# Altium PCB PCB.PcbDoc (part 1 of 2)
Units mm, origin at the board's own origin, x right, y up, seen from the top; angles counter-clockwise.
Board outline 100.25 x 95.41 mm, 2 copper layers (Top Layer, Bottom Layer); 195 components, 140 nets, 719 pads, 378 vias.
Unrouted connection lines stored in the file: 2.
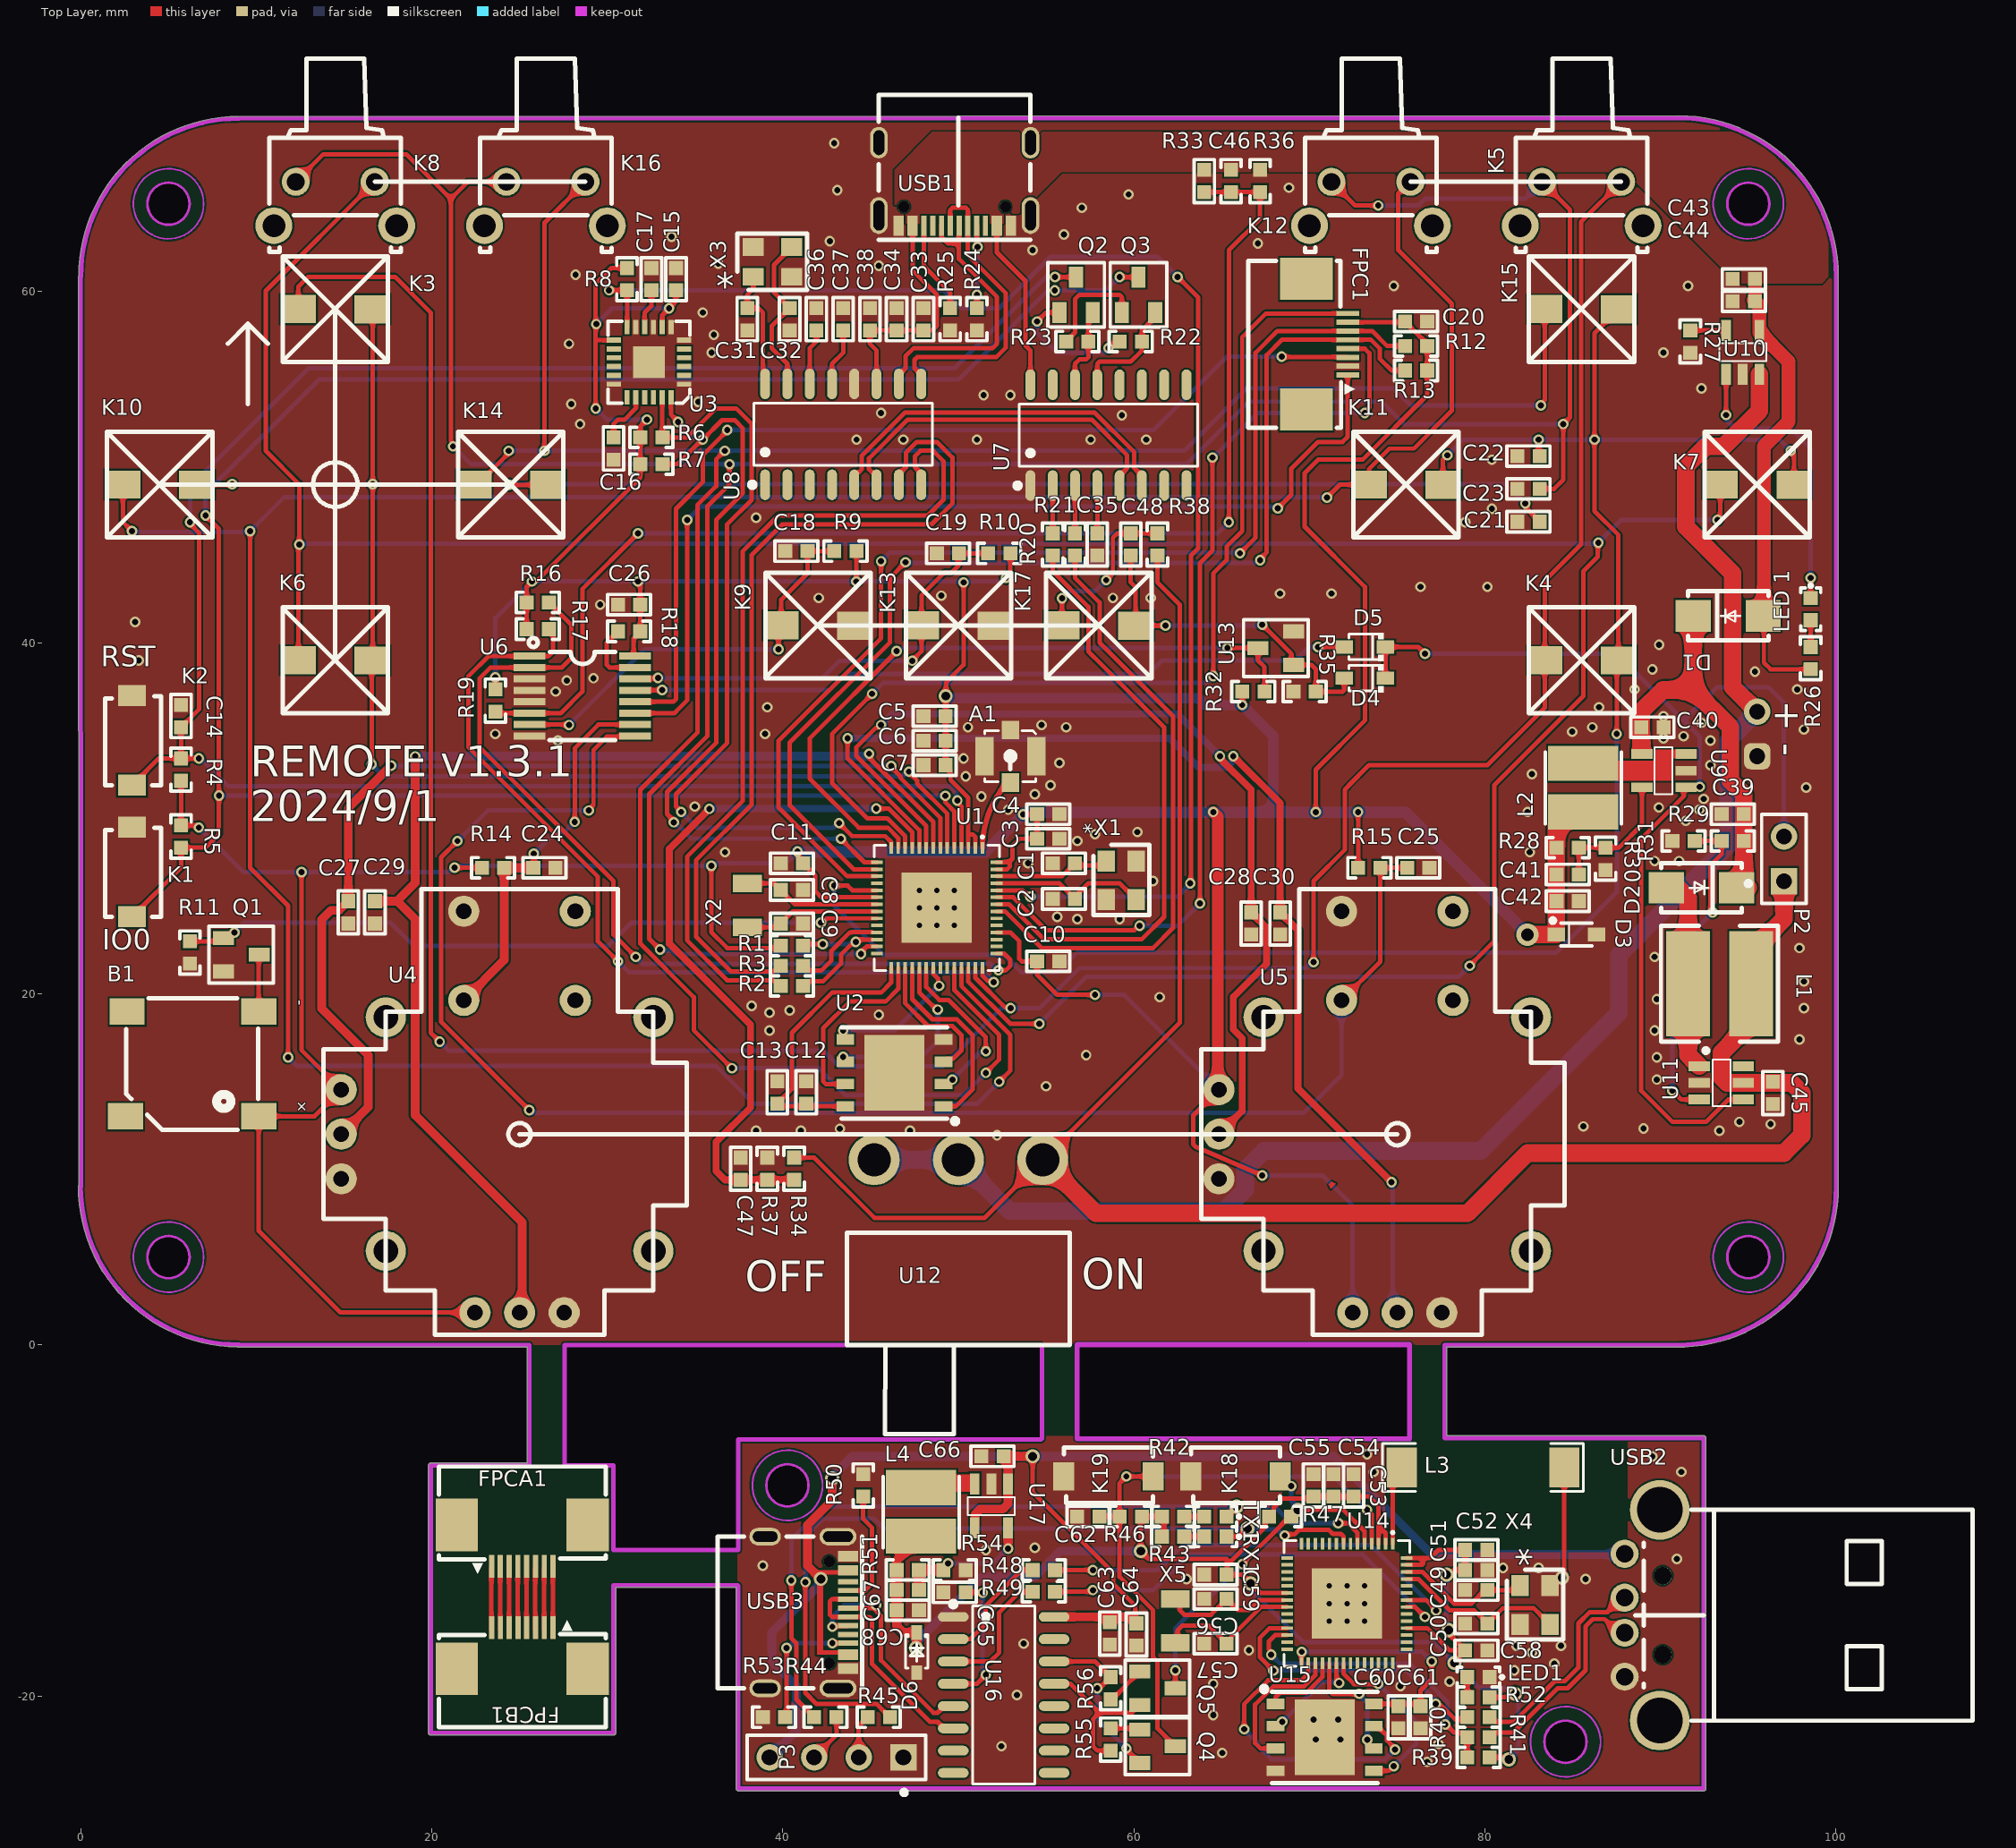
[diagram p0: Top Layer view]
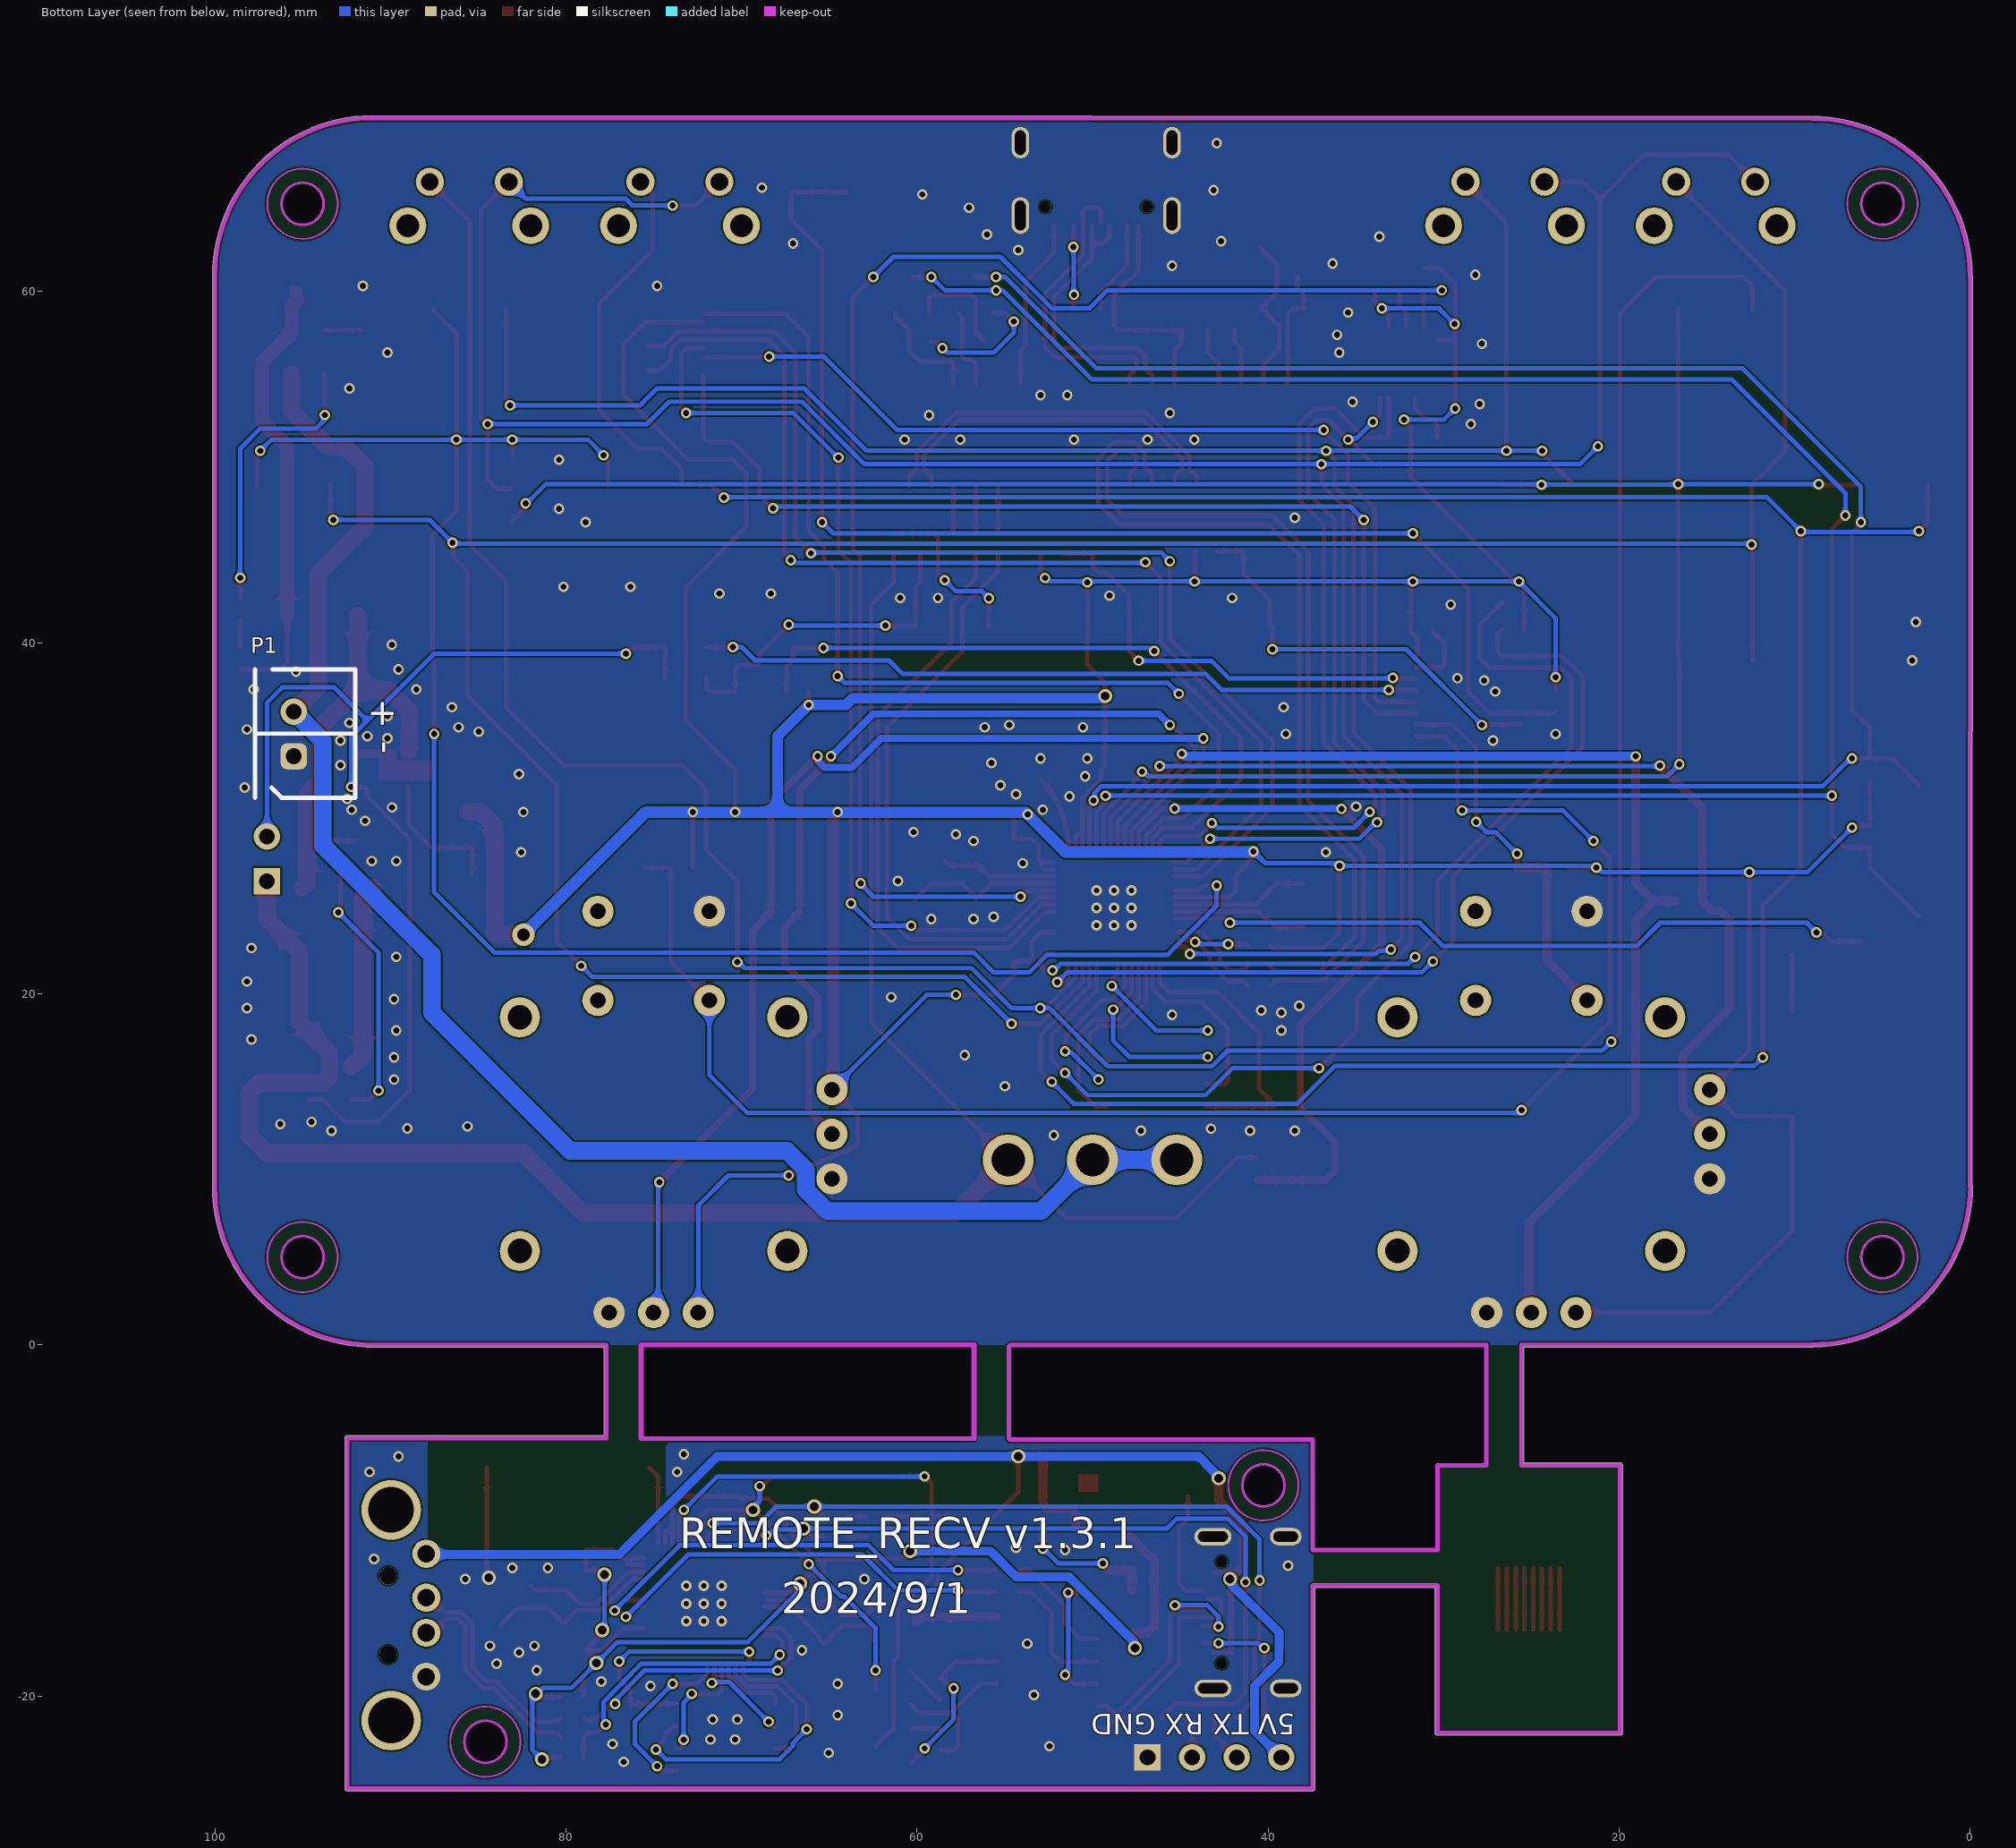
[diagram p1: Bottom Layer view, seen from below]
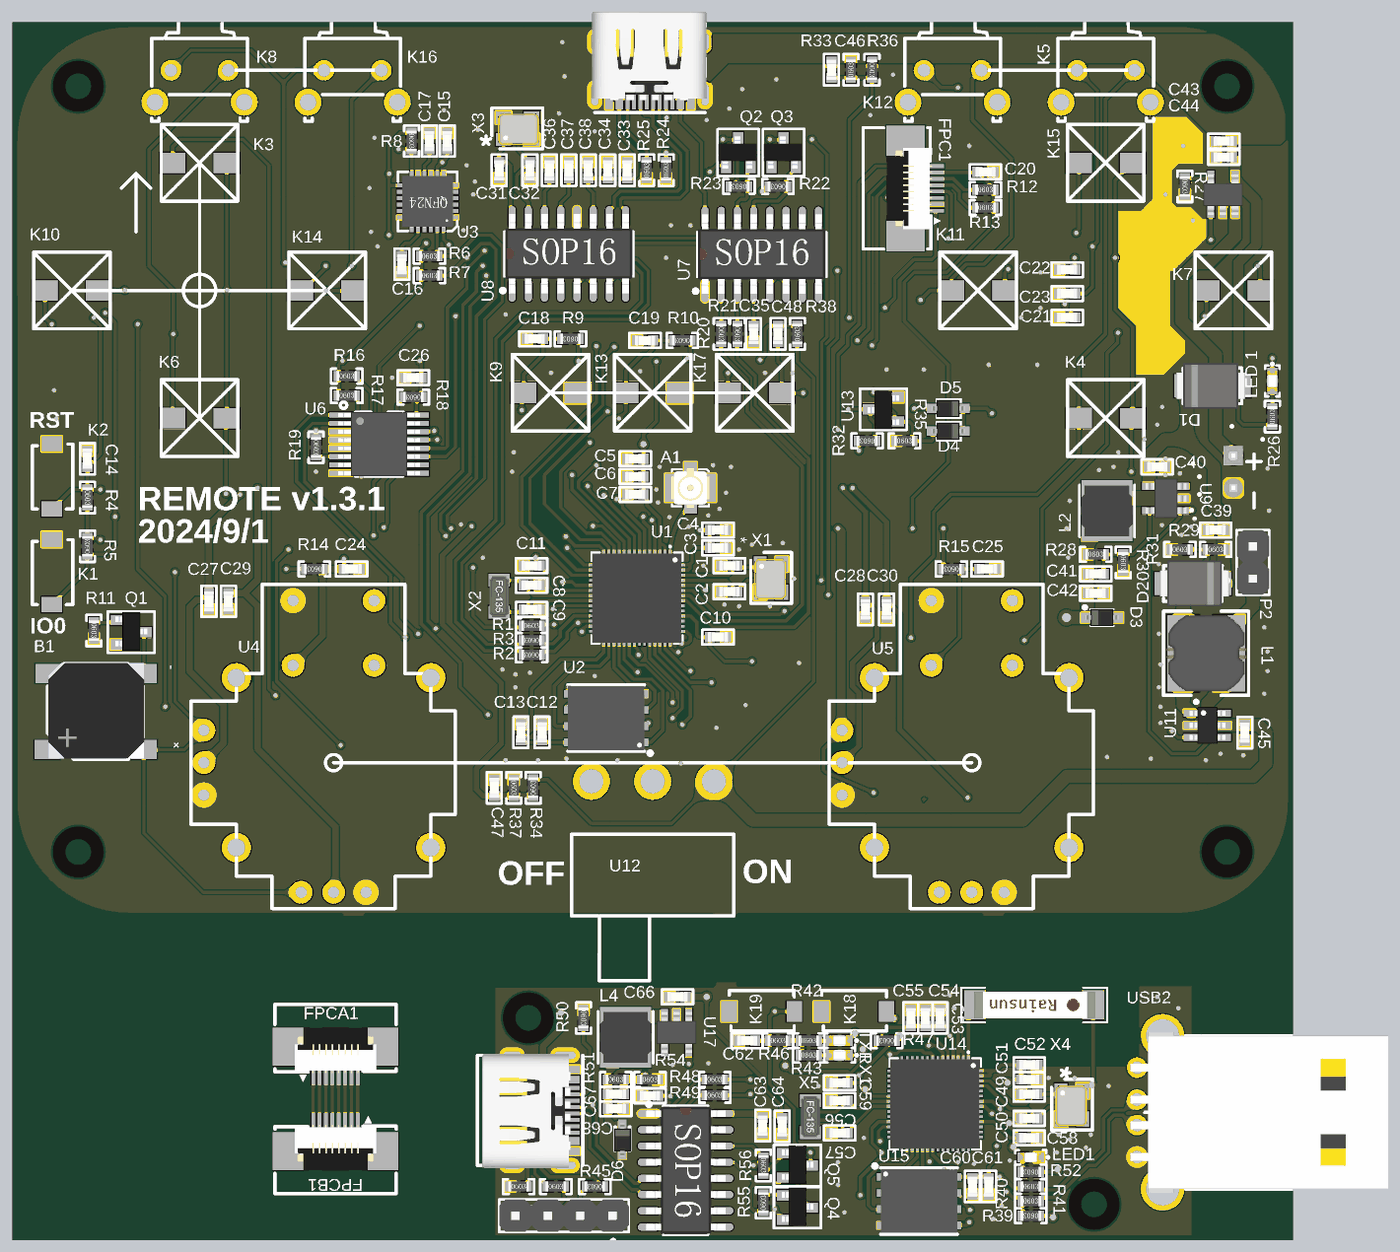
[diagram p3: 3D render of the assembled board from above, using the file's embedded part models]

## Layer stack, top to bottom
Top Solder: solder mask 0.0102, Solder Resist, Dk 3.5
Top Layer: signal copper 0.0356
Dielectric 1: dielectric 0.32, FR-4, Dk 4.8
Bottom Layer: signal copper 0.0356
Bottom Solder: solder mask 0.0102, Solder Resist, Dk 3.5

## Board outline
-0.127,9.017 ccw(c9,9.017) 8.936,-0.11 ccw(c9,0) 9,-0.127 25.432,-0.127 25.432,-6.731 19.939,-6.731 ccw(c19.939,-6.858) 19.812,-6.858 19.812,-22.098 ccw(c19.939,-22.098) 19.939,-22.225 30.353,-22.225 ccw(c30.353,-22.098) 30.48,-22.098 30.48,-13.811 37.338,-13.811 37.338,-25.273 ccw(c37.465,-25.273) 37.465,-25.4 92.456,-25.4 ccw(c92.456,-25.273) 92.583,-25.273 92.583,-5.302 ccw(c92.456,-5.302) 92.456,-5.175 77.819,-5.175 77.819,-0.127 91.313,-0.127 ccw(c91.313,0) 91.354,-0.121 ccw(c91,9) 100.127,9 100.127,60.895 ccw(c91.011,60.895) 91.011,70.011 ccw(c91.011,69.884) 91.011,70.011 9.017,69.977 ccw(c9.017,69.85) 9.017,69.977 ccw(c9.017,60.85) 9.008,69.977 9.017,69.977 9.008,69.977 9,69.977 ccw(c9,69.85) 8.998,69.977 cw(c9.017,60.85) 9.008,69.977 8.998,69.977 ccw(c9.017,60.85) -0.11,60.897 ccw(c0,60.833) -0.127,60.833 -0.107,9.086 ccw(c0,9.017)
cut-out: 83.382,-22.606 ccw(c84.582,-22.606) 84.582,-23.806 ccw(c84.582,-22.606) 85.782,-22.606 ccw(c84.582,-22.606) 84.582,-21.406 ccw(c84.582,-22.606)
cut-out: 39.059,-8.001 ccw(c40.259,-8.001) 40.259,-9.201 ccw(c40.259,-8.001) 41.459,-8.001 ccw(c40.259,-8.001) 40.259,-6.801 ccw(c40.259,-8.001)
cut-out: 56.642,-5.334 ccw(c56.769,-5.334) 56.769,-5.461 75.56,-5.461 ccw(c75.56,-5.334) 75.626,-5.443 ccw(c75.692,-5.334) 75.819,-5.334 75.819,0 ccw(c75.692,0) 75.692,0.127 56.769,0.127 ccw(c56.769,0) 56.642,0
cut-out: 93.8,5 ccw(c95,5) 95,3.8 ccw(c95,5) 96.2,5 ccw(c95,5) 95,6.2 ccw(c95,5)
cut-out: 3.8,5 ccw(c5,5) 5,3.8 ccw(c5,5) 6.2,5 ccw(c5,5) 5,6.2 ccw(c5,5)
cut-out: 5,63.8 cw(c5,65) 3.8,65 cw(c5,65) 5,66.2 cw(c5,65) 6.2,65 cw(c5,65)
cut-out: 93.8,65 ccw(c95,65) 95,63.8 ccw(c95,65) 96.2,65 ccw(c95,65) 95,66.2 ccw(c95,65)
cut-out: 27.559,-6.858 27.559,0 54.674,0 54.769,-0.095 54.769,-5.334 54.703,-5.4 37.465,-5.4 37.465,-11.684 30.353,-11.684 30.353,-6.858

## Design rules (kind name [scope] priority, off if disabled: settings)
Clearance [All] p1: gap=0.1 ignorepadtopadclearanceinfootprint=FALSE except(0: Arc-Hole Track-Hole SMDPad-Hole THPad-Hole Via-Hole Fill-Hole Poly-Hole Region-Hole Text-Hole; 0.102: Arc-Arc Arc-Track Arc-SMDPad Arc-THPad Track-Track Track-SMDPad Track-THPad SMDPad-SMDPad SMDPad-THPad THPad-THPad; 0.127: Arc-Via Track-Via SMDPad-Via SMDPad-Text THPad-Via Via-Via; 0.254: Arc-Text Track-Text THPad-Text Via-Text Fill-Text Poly-Text Region-Text Text-Text)
DiffPairsRouting [All] p1: maxlimit=0.254 minlimit=0.15 mostfreqgap=0.254 toplayer_minwidth=0.2 toplayer_maxwidth=0.381 toplayer_prefwidth=0.25 bottomlayer_minwidth=0.2 bottomlayer_maxwidth=0.381 bottomlayer_prefwidth=0.25 maxuncoupledlength=12.7
HoleSize [All] p1: absolutevalues=TRUE maxlimit=30 minlimit=0.025 maxpercent=80.000 minpercent=20.000
HoleToHoleClearance [All] p1: gap=0.152 allowstackedmicrovias=TRUE
MinimumSolderMaskSliver [All] p1: minsoldermaskwidth=0
PlaneClearance [All] p1: clearance=0.254
PlaneConnect [All] p1: planeconnectstyle=Direct reliefexpansion=0.508 reliefentries=4 reliefconductorwidth=0.254 reliefairgap=0.254
PolygonConnect [All] p1: connectstyle=Direct reliefconductorwidth=0.254 reliefentries=4 polygonreliefangle="90 Angle" airgapwidth=0.254
RoutingVias [All] p1: holewidth=0.711 width=1.27 viastyle="Through Hole" minholewidth=0.3 minwidth=0.5 maxholewidth=30 maxwidth=30
SilkToSilkClearance [All] p1: silktosilkclearance=0
SilkToSolderMaskClearance [IsPad] p1: minsilkscreentomaskgap=0 clearancetoexposedcopper=TRUE
SolderMaskExpansion [All] p1: expansion=0.102 istentingtop=FALSE
Width [All] p1: maxlimit=3 minlimit=0.1 preferedwidth=0.254
22 further rules are at their usual default settings.

## Classes and differential pairs
component class recv_board: C49 C50 C51 C52 C53 C54 C55 C56 C57 C58 C59 C60 C61 C62 C63 C64 C65 C66 C67 C68 D6 K18 K19 L3 L4 LED1 P3 Q4 Q5 R39 R40 R41 R42 R43 R44 R45 R46 R47 R48 R49 R50 R51 R52 R53 R54 R55 R56 RX1 TX1 U14 U15 U16 U17 USB2 USB3 X4 X5
component class connect_board: FPCA1 FPCB1
component class Sheet0-mcu: A1 C1 C2 C3 C4 C5 C6 C7 C8 C9 C10 C11 C12 C13 C14 K1 K2 R1 R2 R3 R4 R5 U1 U2 X1 X2
component class Sheet1-control: B1 C15 C16 C17 C18 C19 C20 C21 C22 C23 C24 C25 C26 C27 C28 C29 C30 FPC1 K3 K4 K5 K6 K7 K8 K9 K10 K11 K12 K13 K14 K15 K16 Q1 R6 R7 R8 R9 R10 R11 R12 R13 R14 R15 R16 R17 R18 R19 U3 U4 U5 U6
component class Sheet2-USB: C31 C32 C33 C34 C35 C36 C37 C38 C39 C40 C41 C42 C43 C44 C45 C46 C47 C48 D1 D2 D3 D4 D5 K17 L1 L2 "LED 1" P1 P2 Q2 Q3 R20 R21 R22 R23 R24 R25 R26 R27 R28 R29 R30 R31 R32 R33 R34 R35 R36 R37 R38 U7 U8 U9 U10 U11 U12 U13 USB1 X3
differential pair _ESP32: +_ESP32_P -_ESP32_N
differential pair _IO: +_IO_P -_IO_N
differential pair _CH340: +_CH340_P -_CH340_N
differential pair IO: +IO_P -IO_N
differential pair ESP32: +ESP32_P -ESP32_N
differential pair CH340: +CH340_P -CH340_N
differential pair USB: +USB_P -USB_N

## Components (designator, comment, footprint, x,y, rotation, side; value= is the part's Value field where it differs from the comment)
A1 "ANT-IPEX" IPEX-SMD_HC-RF-IPEX0303-01 52.959,33.528 r0 top locked
B1 "BUZZER1" BUZ-SMD_GSC7525RA 6.35,16.002 r180 top
C1 "15pF" CC1608-0603 56.007,27.432 r0 top
C2 "15pF" CC1608-0603 56.007,25.4 r0 top
C3 "1uF" CC1608-0603 55.118,28.829 r180 top
C4 "100NF" CC1608-0603 55.118,30.226 r180 top
C5 "1uF" CC1608-0603 48.641,35.814 r0 top
C6 "100NF" CC1608-0603 48.641,34.417 r0 top
C7 "100NF" CC1608-0603 48.641,33.02 r0 top
C8 "12.5pF" CC1608-0603 40.513,25.908 r180 top
C9 "12.5pF" CC1608-0603 40.513,24.003 r180 top locked
C10 "100NF" CC1608-0603 55.118,21.844 r180 top
C11 "100NF" CC1608-0603 40.513,27.432 r0 top
C12 "1uF" CC1608-0603 41.33,14.379 r270 top
C13 "100NF" CC1608-0603 39.679,14.379 r270 top
C14 "1uF/NC" CC1608-0603 5.715,35.814 r270 top
C15 "100NF 50V" CC1608-0603 33.909,60.706 r270 top
C16 "2.2UF" CC1608-0603 30.353,51.054 r270 top
C17 "100NF" CC1608-0603 32.512,60.706 r270 top
C18 "100PF" CC1608-0603 40.767,45.212 r180 top
C19 "100PF" CC1608-0603 49.403,45.085 r180 top
C20 "100NF" CC1608-0603 76.073,58.293 r0 top
C21 "100pF" CC1608-0603 82.478,46.89 r0 top locked
C22 "100pF" CC1608-0603 82.478,50.628 r0 top
C23 "100pF" CC1608-0603 82.478,48.759 r0 top
C24 "100nF" CC1608-0603 26.416,27.178 r180 top
C25 "100nF" CC1608-0603 76.2,27.178 r180 top
C26 "100NF" CC1608-0603 31.242,42.164 r0 top
C27 "100nF" CC1608-0603 15.24,24.638 r90 top
C28 "100nF" CC1608-0603 66.675,24.003 r90 top
C29 "100pF" CC1608-0603 16.764,24.638 r90 top
C30 "100pF" CC1608-0603 68.326,24.003 r90 top
C31 "20pF" CC1608-0603 37.973,58.42 r90 top
C32 "20pF" CC1608-0603 40.386,58.42 r90 top
C33 "1uF" CC1608-0603 48.006,58.42 r270 top
C34 "100NF" CC1608-0603 46.482,58.42 r270 top
C35 "100NF" CC1608-0603 57.912,45.593 r90 top
C36 "10UF" CC1608-0603 41.91,58.42 r270 top
C37 "10UF" CC1608-0603 43.434,58.42 r270 top
C38 "100NF" CC1608-0603 44.958,58.42 r270 top
C39 "22uF" CC1608-0603 94.107,30.226 r180 top
C40 "10uF" CC1608-0603 89.535,35.179 r180 top
C41 "22PF" CC1608-0603 84.709,26.797 r180 top
C42 "10uF" CC1608-0603 84.709,25.273 r180 top
C43 "1uF" CC1608-0603 94.742,60.706 r0 top
C44 "100NF" CC1608-0603 94.742,59.436 r0 top
C45 "22uF" CC1608-0603 96.393,14.351 r90 top
C46 "100NF" CC1608-0603 64.008,66.294 r270 top
C47 "100NF" CC1608-0603 37.592,10.033 r270 top
C48 "100PF" CC1608-0603 59.817,45.593 r270 top
C49 "15pF" CC1608-0603 79.502,-13.97 r0 top
C50 "15pF" CC1608-0603 79.502,-15.875 r0 top
C51 "1uF" CC1608-0603 79.502,-12.827 r180 top
C52 "100NF" CC1608-0603 79.502,-11.684 r180 top
C53 "1uF" CC1608-0603 72.517,-8.001 r270 top
C54 "100NF" CC1608-0603 71.374,-8.001 r270 top
C55 "100NF" CC1608-0603 70.231,-8.001 r270 top
C56 "12.5pF" CC1608-0603 64.643,-14.478 r0 top
C57 "12.5pF" CC1608-0603 64.643,-17.018 r0 top
C58 "100NF" CC1608-0603 79.502,-17.399 r180 top
C59 "100NF" CC1608-0603 64.643,-13.081 r0 top
C60 "1uF" CC1608-0603 75.057,-21.209 r90 top
C61 "100NF" CC1608-0603 76.327,-21.209 r90 top
C62 "1uF/NC" CC1608-0603 57.404,-9.779 r0 top
C63 "1uF" CC1608-0603 58.623,-16.438 r90 top
C64 "100NF" CC1608-0603 60.143,-16.494 r90 top
C65 "100NF" CC1608-0603 49.784,-14.097 r0 top
C66 "10uF" CC1608-0603 51.943,-6.35 r0 top
C67 "22PF" CC1608-0603 47.117,-13.97 r180 top
C68 "10uF" CC1608-0603 47.117,-15.113 r180 top
D1 "SS34" "DO-214 AA" 93.853,41.529 r0 top
D2 "SS34A" "DO-214 AA SMB" 92.329,26.035 r180 top
D3 "PESD3V3L1BA" SOD-323#1 84.06,23.368 r0 top
D4 "1N5819" SOD-323_L1.8-W1.3-LS2.5-RD 73.152,37.973 r180 top
D5 "1N5819" SOD-323_L1.8-W1.3-LS2.5-RD 73.152,39.751 r180 top
D6 "PESD3V3L1BA" SOD-323#2 47.625,-17.526 r270 top
FPC1 "FFC 05 8P" FFC-SMD_8P-P0.50 71,57 r270 top locked
FPCA1 "FFC 05 8P" FFC-SMD_8P-P0.50 25.156,-11.43 r180 top
FPCB1 "FFC 05 8P" FFC-SMD_8P-P0.50 25.156,-17.272 r0 top
K1 "KEY 3*4" "KEY 3*4" 2.921,24.384 r90 top
K2 "KEY 3*4" "KEY 3*4" 2.921,31.877 r90 top
K3 "KEY 6*6*5" "KEY 6*6*5" 14.5,59 r0 top locked
K4 "KEY 6*6*5" "KEY 6*6*5" 85.5,39 r0 top locked
K5 "SW-TH_4P_H" SW-TH_KH-6X6X7H-ZJ 85.5,65 r0 top locked
K6 "KEY 6*6*5" "KEY 6*6*5" 14.5,39 r0 top locked
K7 "KEY 6*6*5" "KEY 6*6*5" 95.5,49 r0 top locked
K8 "SW-TH_4P_H" SW-TH_KH-6X6X7H-ZJ 14.5,65 r0 top locked
K9 "KEY 6*6*5" "KEY 6*6*5" 42,40.983 r0 top locked
K10 "KEY 6*6*5" "KEY 6*6*5" 4.5,49 r0 top locked
K11 "KEY 6*6*5" "KEY 6*6*5" 75.5,49 r0 top locked
K12 "SW-TH_4P_H" SW-TH_KH-6X6X7H-ZJ 73.5,65 r0 top locked
K13 "KEY 6*6*5" "KEY 6*6*5" 50,40.983 r0 top locked
K14 "KEY 6*6*5" "KEY 6*6*5" 24.5,49 r0 top locked
K15 "KEY 6*6*5" "KEY 6*6*5" 85.5,59 r0 top locked
K16 "SW-TH_4P_H" SW-TH_KH-6X6X7H-ZJ 26.5,65 r0 top locked
K17 "KEY 6*6*5" "KEY 6*6*5" 58,40.983 r0 top
K18 "KEY 3*4" "KEY 3*4" 68.326,-7.493 r180 top
K19 "KEY 3*4" "KEY 3*4" 61.087,-7.493 r180 top
L1 "10uH" INDUCTOR-6045 95.167,20.574 r270 top
L2 "1uH" INDUCTOR-4018 85.598,31.726 r270 top
L3 "AN9520-245" ANT-SMD_L9.5-W2.1 79.883,-6.985 r180 top
L4 "1uH" Inductor-4018 47.879,-9.525 r270 top
LED1 "LED 0603" "LED 0603" 79.629,-18.923 r0 top
"LED 1" "LED 0603" "LED 0603" 98.552,41.91 r90 top
P1 "Header 2" HX2.54-2 95.504,33.528 r90 bottom locked
P2 "Header 2" HDR1X2 97.028,26.416 r90 top
P3 "Header 4" HDR1X4 46.863,-23.495 r180 top locked
Q1 "SI2302" SOT-23 8.14,23.175 r270 top
Q2 "S8050" SOT-23 55.751,58.801 r0 top
Q3 "S8050" SOT-23 59.309,58.801 r0 top
Q4 "S8050" SOT-23 60.337,-21.91 r270 top
Q5 "S8050" SOT-23 60.337,-18.608 r270 top
R1 "1.5K" CR1608-0603 40.513,22.733 r0 top locked
R2 "0R" CR1608-0603 40.513,20.447 r180 top
R3 "0R" CR1608-0603 40.513,21.59 r180 top
R4 "10K/NC" CR1608-0603 5.715,32.766 r270 top
R5 "10K" CR1608-0603 5.715,28.956 r90 top
R6 "2K" CR1608-0603 32.512,51.689 r0 top
R7 "2K" CR1608-0603 32.512,50.165 r0 top
R8 "4.7K" CR1608-0603 31.115,60.706 r270 top
R9 "10K" CR1608-0603 43.561,45.212 r180 top
R10 "10K" CR1608-0603 52.324,45.085 r180 top
R11 "33KR" CR1608-0603 6.223,22.352 r270 top
R12 "10K" CR1608-0603 76.073,56.896 r0 top
R13 "10K" CR1608-0603 76.073,55.499 r0 top
R14 "10K" CR1608-0603 23.495,27.178 r180 top
R15 "10K" CR1608-0603 73.406,27.178 r180 top
R16 "2K" CR1608-0603 26.035,42.291 r0 top
R17 "2K" CR1608-0603 26.035,40.767 r0 top
R18 "2K" CR1608-0603 31.242,40.64 r180 top
R19 "4.7K" CR1608-0603 23.622,36.703 r270 top
R20 "470R" CR1608-0603 55.372,45.593 r270 top
R21 "470R" CR1608-0603 56.642,45.593 r270 top locked
R22 "12K/10K" CR1608-0603 59.817,57.15 r180 top
R23 "12K/10K" CR1608-0603 56.769,57.15 r180 top
R24 "5.1K" CR1608-0603 51.054,58.42 r90 top
R25 "5.1K" CR1608-0603 49.53,58.42 r90 top
R26 "1K" CR1608-0603 98.552,39.116 r90 top
R27 "2K" CR1608-0603 91.694,57.15 r270 top
R28 "100K" CR1608-0603 84.709,28.321 r0 top
R29 "78.7KR" CR1608-0603 94.107,28.702 r0 top